# KiCad board EBAZ4205.kicad_pcb (continued)
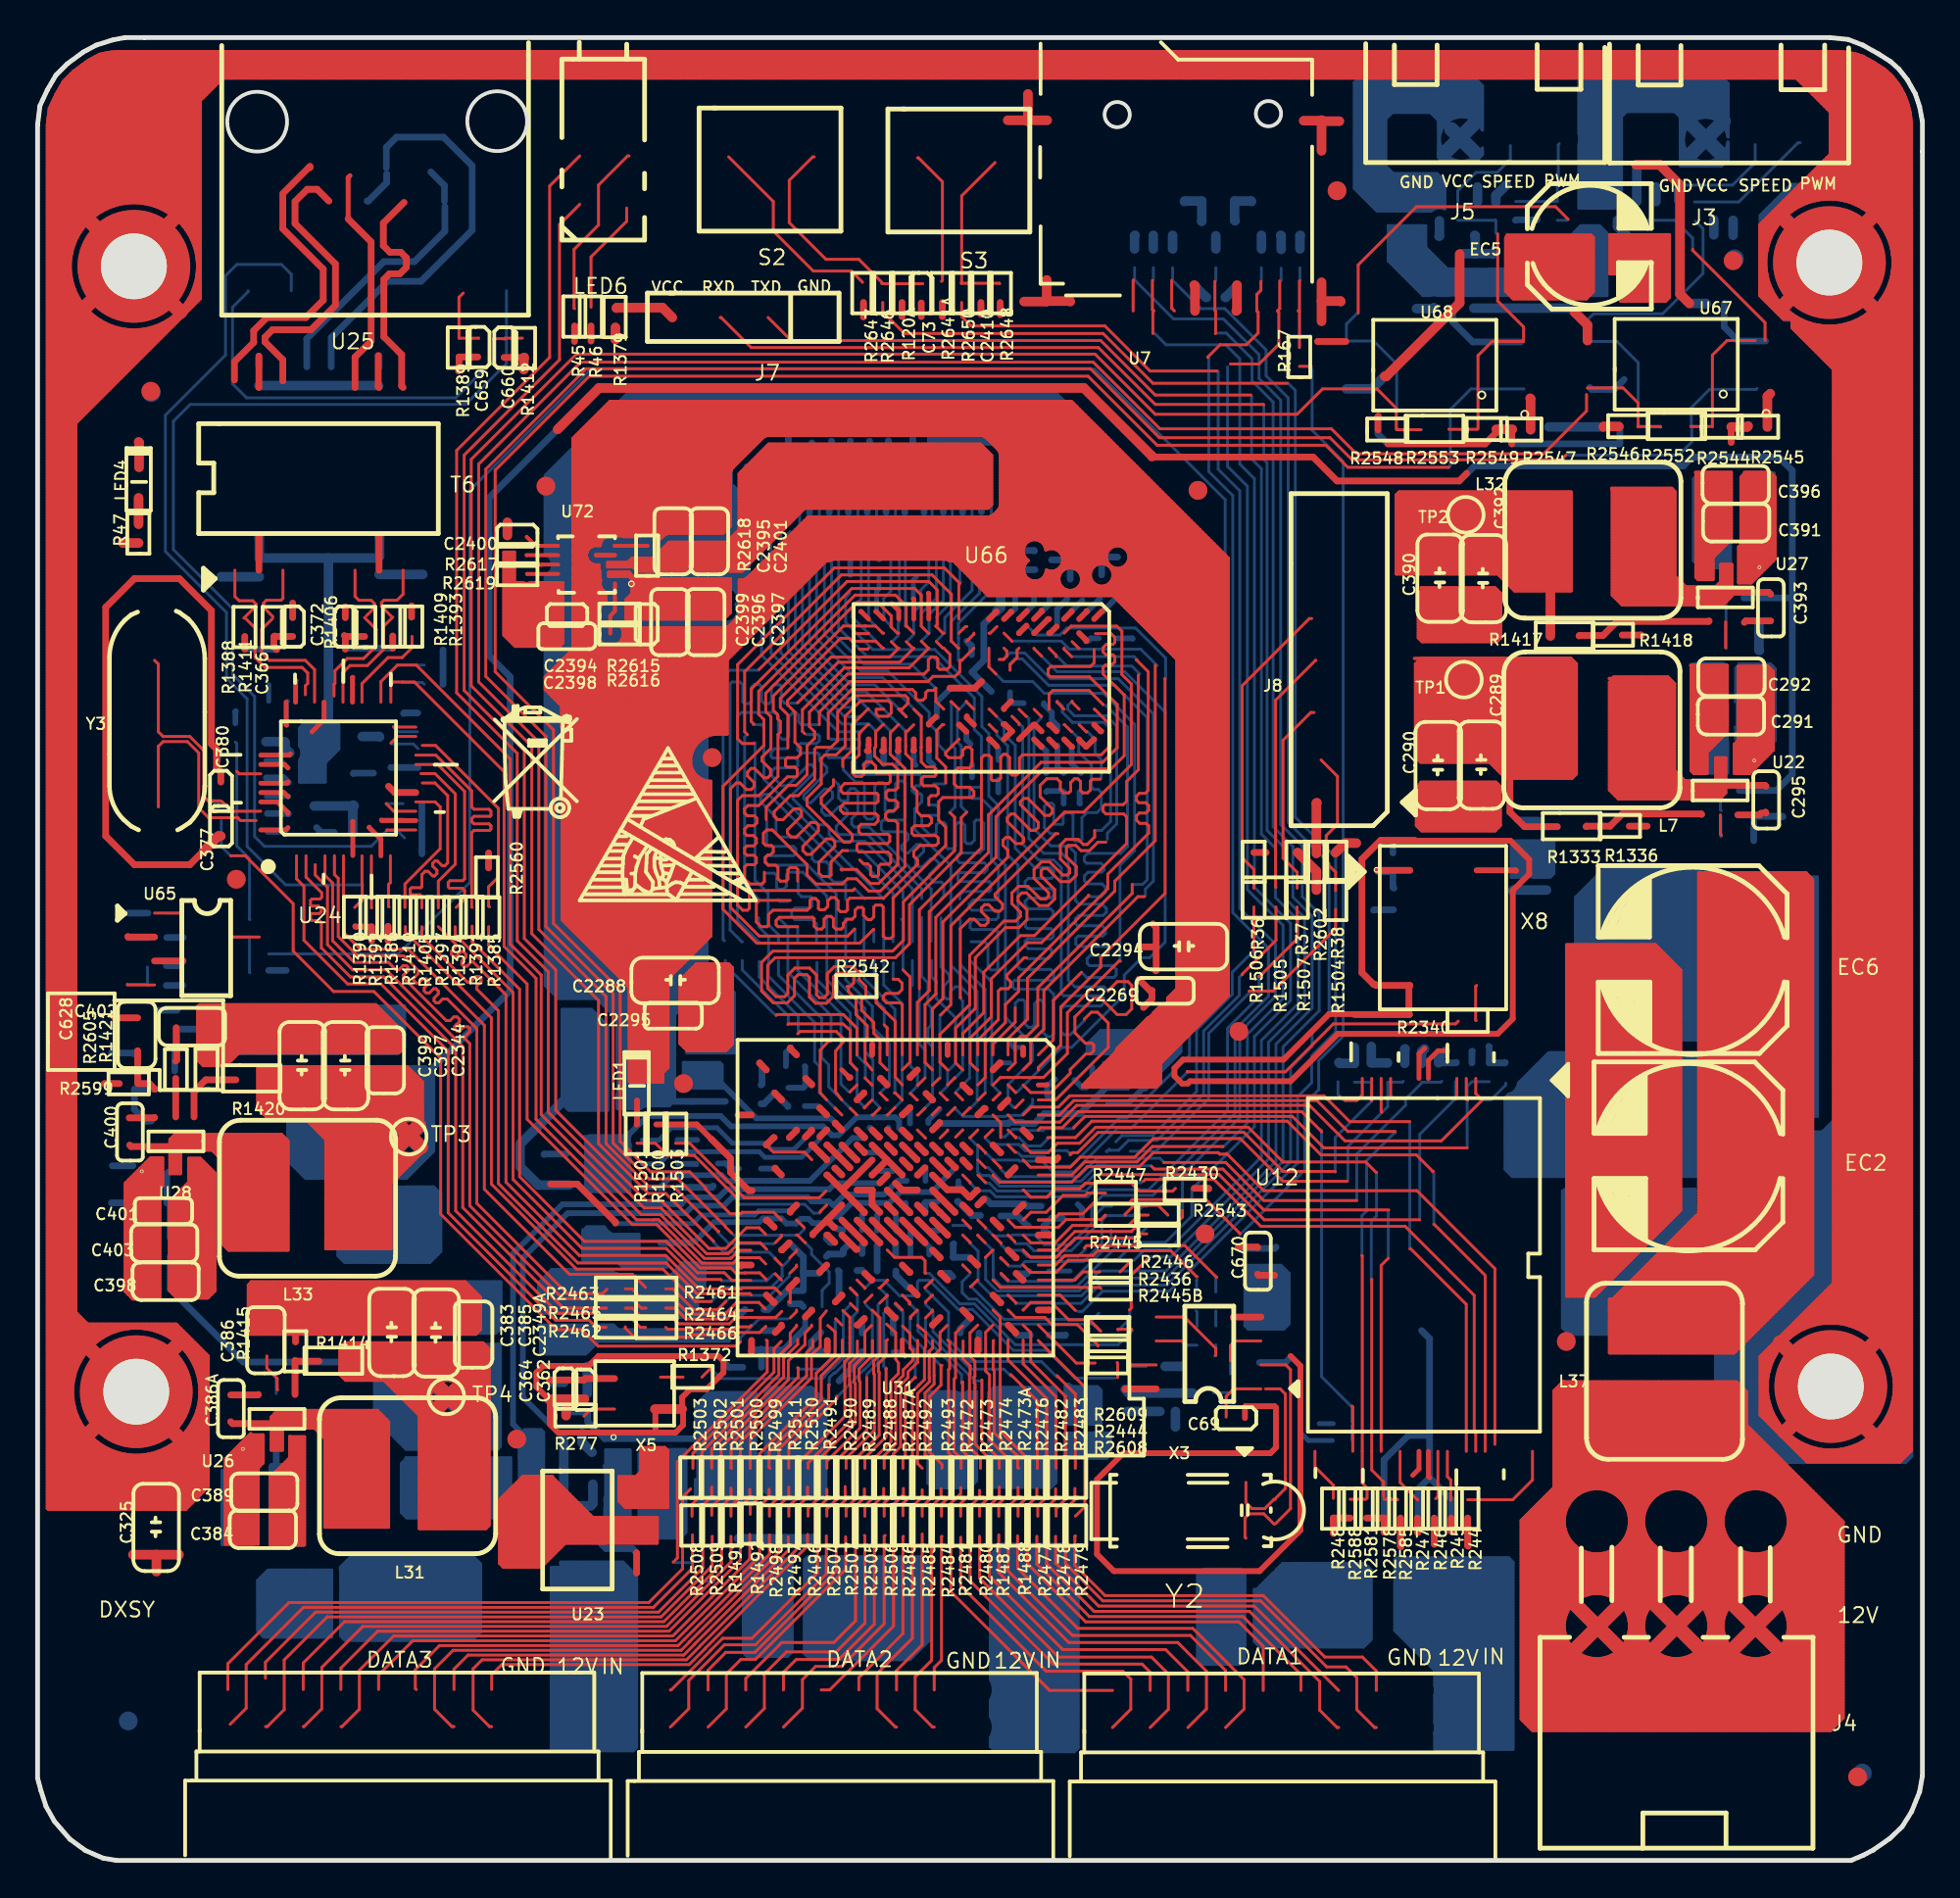
[diagram p0: board, top side]
## Routing (per net, layer and track width the routed paths; a pad name or vN(x,y) marks a point on that pad's centre or on a via; arc(x,y) is an arc through that point)
GNDA: length 27425.1
  Top w0.178: 46.91,94.87 46.91,96.27 ; 92.08,82.88 92.74,82.88 ; 84.4,94.87 84.4,96.27 ; 0.52,65.35 2.02,65.35 ; 0.52,63.37 2.02,63.37 ; 75.41,94.87 75.41,96.27 ; 0.52,37.46 2.02,37.46 ; 0.52,63.06 2.02,63.06 ; 94.15,21.24 94.15,22.08 ; 85.01,94.87 85.01,96.27 ; 0.52,45.38 2.02,45.38 ; 95.58,58.8 99.7,58.8 ; 35.94,94.87 35.94,96.27 ; 77.39,94.87 77.39,96.27 ; 0.52,37.76 2.02,37.76 ; 76.32,94.87 76.32,96.27 ; 3.34,96.13 96.8,96.13 ; 4.85,79.33 4.85,81.47 ; 0.52,50.87 2.02,50.87 ; 91.68,24.51 92.11,24.51 ; 0.61,93.09 8.65,93.09 ; 8.5,25.92 8.5,27.41 ; 94.3,80.65 94.3,81.82 ; 92.63,94.87 92.63,96.27 ; 0.52,26.79 2.4,26.79 ; 93.09,87.58 93.09,88.49 ; 91.68,24.2 92.19,24.2 ; 89.43,94.87 89.43,96.27 ; 95.58,64.28 99.7,64.28 ; 95.58,54.38 99.7,54.38 ; 98.1,23.13 99.7,23.13 ; 62.3,94.87 62.3,96.27 ; 8.12,23.13 9.07,23.13 ; 98.26,27.1 99.7,27.1 ; 63.52,94.87 63.52,96.27 ; 13.53,94.87 13.53,96.27 ; 0.52,91.41 8.65,91.41 ; 95.58,50.72 99.7,50.72 ; 0.52,78 3.52,78 ; 4.08,88.08 4.08,96.26 ; 0.52,27.4 2.9,27.4 ; 91.96,27.1 92.59,27.1 ; 0.52,78.61 4.13,78.61 ; 0.52,27.55 3.07,27.55 ; 7.88,86.84 8.65,86.84 ; 95.58,37.46 99.7,37.46 ; 0.52,66.11 2.02,66.11 ; 0.52,41.42 2.02,41.42 ; 0.52,61.54 2.02,61.54 ; 95.58,31.82 99.7,31.82 ; 62.45,94.87 62.45,96.27 ; 0.52,86.99 2.49,86.99 ; 95.58,78.46 99.7,78.46 ; 6.37,18.69 6.37,21.75 ; 0.52,80.44 5.96,80.44 ; 95.58,37 99.7,37 ; 53.16,94.87 53.16,96.27 ; 0.52,36.39 2.02,36.39 ; 91.68,24.35 92.15,24.35 ; 6.37,80.85 6.37,81.69 ; 41.42,94.87 41.42,96.27 ; 6.22,18.69 6.22,21.7 ; 95.58,55.6 99.7,55.6 ; 72.51,94.87 72.51,96.27 ; 0.52,64.89 2.02,64.89 ; 0.52,20.85 9.07,20.85 ; 64.59,94.87 64.59,96.27 ; 95.58,60.17 99.7,60.17 ; 95.58,55.75 99.7,55.75 ; 0.52,74.49 2.02,74.49 ; 91.77,83.18 92.52,83.18 ; 95.58,47.82 99.7,47.82 ; 0.52,48.28 2.02,48.28 ; 91.65,86.08 92.11,86.08 ; 73.43,94.87 73.43,96.27 ; 91.65,83.94 92.14,83.94 ; 94.93,93.54 99.51,93.54 ; 40.66,94.87 40.66,96.27 ; 0.52,52.09 2.02,52.09 ; 95.58,76.17 99.7,76.17 ; 95.58,52.55 99.7,52.55 ; 0.52,63.67 2.02,63.67 ; 60.17,94.87 60.17,96.27 ; 0.52,30.91 2.02,30.91 ; 98.72,26.02 98.72,84.69 ; 91.65,84.55 91.99,84.55 ; 4.08,18.69 4.08,21.76 ; 74.19,94.87 74.19,96.27 ; 14.14,94.87 14.14,96.27 ; 95.58,60.32 99.7,60.32 ; 95.37,28.62 95.37,30.51 ; 95.58,63.52 99.7,63.52 ; 2.26,26.55 2.26,28.94 ; 11.4,94.87 11.4,96.27 ; 98.76,25.88 99.7,25.88 ; 19.17,94.87 19.17,96.27 ; 86.99,94.87 86.99,96.27 ; 94.09,21.31 99.19,21.31 ; 95.58,73.12 99.7,73.12 ; 3.32,27.74 3.32,28.54 ; 0.52,77.54 3.06,77.54 ; 92.78,22.61 92.78,23.1 ; 7.74,87.01 7.74,96.27 ; 63.37,94.87 63.37,96.27 ; 95.58,42.79 99.7,42.79 ; 0.52,41.12 2.02,41.12 ; 0.52,74.95 2.02,74.95 ; 0.52,55.6 2.02,55.6 ; 0.52,84.4 1.76,84.4 ; 91.65,83.79 92.2,83.79 ; 95.58,44.47 99.7,44.47 ; 98.79,24.81 99.7,24.81 ; 98.35,26.94 99.7,26.94 ; 0.52,87.9 3.65,87.9 ; 35.02,94.87 35.02,96.27 ; 92.63,22.77 92.63,23.3 ; 0.52,70.38 2.02,70.38 ; 48.89,94.87 48.89,96.27 ; 0.52,60.93 2.02,60.93 ; 0.52,60.62 2.02,60.62 ; 86.84,94.87 86.84,96.27 ; 95.07,79.89 95.07,81.67 ; 92.41,27.55 92.96,27.55 ; 94.61,80.34 94.61,81.74 ; 0.52,76.78 2.3,76.78 ; 88.97,94.87 88.97,96.27 ; 5.76,88.18 5.76,96.27 ; 19.48,94.87 19.48,96.27 ; 98.82,25.27 99.7,25.27 ; 6.63,81.81 7.33,81.81 ; 0.52,56.05 2.02,56.05 ; 98.71,94.94 99,94.57 ; 0.52,25.42 1.89,25.42 ; 95.58,70.84 99.7,70.84 ; 98.81,25.42 99.7,25.42 ; 23.29,94.87 23.29,96.27 ; 8.52,84.86 8.65,84.86 ; 0.52,21 9.07,21 ; 94.48,89.89 99.7,89.89 ; 0.52,88.21 4.64,88.21 ; 94.15,28.37 94.15,29.29 ; 48.28,94.87 48.28,96.27 ; 51.79,94.87 51.79,96.27 ; 0.52,71.9 2.02,71.9 ; 12.92,94.87 12.92,96.27 ; 4.85,28.32 4.85,28.54 ; 69.46,94.87 69.46,96.27 ; 49.19,94.87 49.19,96.27 ; 95.58,64.89 99.7,64.89 ; 98.32,86.69 99.7,86.69 ; 0.52,19.93 9.07,19.93 ; 0.52,28.01 3.78,28.01 ; 0.52,49.35 2.02,49.35 ; 95.58,38.98 99.7,38.98 ; 58.19,94.87 58.19,96.27 ; 2.71,27.2 2.71,28.54 ; 92.81,88.21 94.11,88.21 ; 7.59,27.41 7.59,28.33 ; 95.58,49.5 99.7,49.5 ; 95.58,57.27 99.7,57.27 ; 3.47,87.82 3.47,96.17 ; 8.43,84.09 8.65,84.09 ; 19.02,94.87 19.02,96.27 ; 93.33,28.47 94.43,28.47 ; 0.52,41.73 2.02,41.73 ; 88.82,94.87 88.82,96.27 ; 95.58,59.86 99.7,59.86 ; 95.58,39.29 99.7,39.29 ; 0.52,32.13 2.02,32.13 ; 95.58,58.95 99.7,58.95 ; 0.52,86.53 2.18,86.53 ; 39.9,94.87 39.9,96.27 ; 0.52,40.66 2.02,40.66 ; 0.52,76.02 2.02,76.02 ; 95.58,39.9 99.7,39.9 ; 93.24,87.71 93.24,88.64 ; 94,88.16 94,89.4 ; 0.52,81.96 3.34,81.96 ; 95.58,41.27 99.7,41.27 ; 24.51,94.87 24.51,96.27 ; 91.65,86.84 92.47,86.84 ; 0.52,38.68 2.02,38.68 ; 82.11,94.87 82.11,96.27 ; 0.52,21.31 9.07,21.31 ; 95.58,70.53 99.7,70.53 ; 2.41,76.89 2.41,82.82 ; 74.49,94.87 74.49,96.27 ; 91.26,94.87 91.26,96.27 ; 95.58,72.97 99.7,72.97 ; 91.65,84.25 92.05,84.25 ; 15.51,94.87 15.51,96.27 ; 95.58,54.22 99.7,54.22 ; 91.65,83.64 92.26,83.64 ; 98.18,83.18 99.7,83.18 ; 94.02,94.46 99.07,94.46 ; 1.16,94.3 9.28,94.3 ; 95.58,62.15 99.7,62.15 ; 0.52,59.41 2.02,59.41 ; 8.29,86.08 8.65,86.08 ; 0.52,65.65 2.02,65.65 ; 95.58,68.85 99.7,68.85 ; 41.27,94.87 41.27,96.27 ; 0.52,52.7 2.02,52.7 ; 95.58,73.43 99.7,73.43 ; 8.2,82.68 8.2,83.41 ; 6.42,21.76 9.07,21.76 ; 0.52,73.27 2.02,73.27 ; 97.96,87.22 97.96,95.54 ; 0.52,83.18 2.17,83.18 ; 94.79,90.19 99.7,90.19 ; 36.55,94.87 36.55,96.27 ; 46.6,94.87 46.6,96.27 ; 0.54,92.48 8.65,92.48 ; 96.59,21.22 96.59,22.04 ; 95.58,71.14 99.7,71.14 ; 95.58,51.48 99.7,51.48 ; 1.34,94.61 9.58,94.61 ; 95.58,78.91 99.7,78.91 ; 2.86,87.38 2.86,95.89 ; 0.52,19.48 8.65,19.48 ; 0.52,90.65 8.65,90.65 ; 95.58,64.59 99.7,64.59 ; 95.58,69.46 99.7,69.46 ; 95.58,41.73 99.7,41.73 ; 93.39,81.56 93.39,82.28 ; 96.9,21.22 96.9,22.17 ; 65.2,94.87 65.2,96.27 ; 69.62,94.87 69.62,96.27 ; 92.48,26.9 92.48,27.62 ; 0.52,69.77 2.02,69.77 ; 93.24,27.82 93.24,28.38 ; 0.52,69.31 2.02,69.31 ; 95.58,76.78 99.7,76.78 ; 95.58,31.06 99.7,31.06 ; 0.52,84.86 1.73,84.86 ; 0.52,92.17 8.65,92.17 ; 92.02,23.38 92.02,27.16 ; 0.52,44.32 2.02,44.32 ; 95.58,46.6 99.7,46.6 ; 0.52,32.58 2.02,32.58 ; 94.55,29.69 99.7,29.69 ; 90.8,94.87 90.8,96.27 ; 0.52,87.6 3.14,87.6 ; 92.78,82.17 92.78,82.83 ; 95.52,28.62 95.52,30.67 ; 71.44,94.87 71.44,96.27 ; 95.58,39.75 99.7,39.75 ; 95.58,41.12 99.7,41.12 ; 90.49,94.87 90.49,96.27 ; 31.82,94.87 31.82,96.27 ; 0.52,40.81 2.02,40.81 ; 54.99,94.87 54.99,96.27 ; 98.71,84.55 99.7,84.55 ; 83.33,94.87 83.33,96.27 ; 92.48,86.85 92.48,87.88 ; 0.52,58.49 2.02,58.49 ; 81.35,94.87 81.35,96.27 ; 98.74,85.01 99.7,85.01 ; 7.77,22.68 9.07,22.68 ; 34.87,94.87 34.87,96.27 ; 95.58,53 99.7,53 ; 59.71,94.87 59.71,96.27 ; 98.47,86.38 99.7,86.38 ; 3.93,88.03 3.93,96.25 ; 3.03,95.98 97.21,95.98 ; 92.02,94.87 92.02,96.27 ; 39.44,94.87 39.44,96.27 ; 95.31,30.45 99.7,30.45 ; 71.9,94.87 71.9,96.27 ; 95.58,36.7 99.7,36.7 ; 0.52,19.02 8.2,19.02 ; 0.52,66.72 2.02,66.72 ; 95.58,31.52 99.7,31.52 ; 95.58,46.45 99.7,46.45 ; 92.5,87.9 93.51,87.9 ; 98.72,85.47 99.7,85.47 ; 92.93,94.87 92.93,96.27 ; 97.83,22.83 99.7,22.83 ; 96.83,28.32 99.7,28.32 ; 0.52,74.19 2.02,74.19 ; 95.58,74.8 99.7,74.8 ; 95.58,42.18 99.7,42.18 ; 95.4,92.32 99.7,92.32 ; 7.04,22.07 9.07,22.07 ; 0.52,35.63 2.02,35.63 ; 69.01,94.87 69.01,96.27 ; 6.98,18.69 6.98,22.03 ; 5.61,88.21 8.65,88.21 ; 0.52,79.52 5.04,79.52 ; 27.71,94.87 27.71,96.27 ; 0.52,47.52 2.02,47.52 ; 28.01,94.87 28.01,96.27 ; 95.58,75.41 99.7,75.41 ; 95.58,43.86 99.7,43.86 ; 95.22,79.73 95.22,81.66 ; 95.58,53.92 99.7,53.92 ; 85.31,94.87 85.31,96.27 ; 55.14,94.87 55.14,96.27 ; 95.58,44.32 99.7,44.32 ; 8.61,24.51 9.07,24.51 ; 37,94.87 37,96.27 ; 94.91,88.42 94.91,90.32 ; 95.58,48.13 99.7,48.13 ; 20.54,94.87 20.54,96.27 ; 97.51,27.91 97.51,82.43 ; 68.4,94.87 68.4,96.27 ; 0.52,91.26 8.65,91.26 ; 16.89,94.87 16.89,96.27 ; 8.35,83.79 8.65,83.79 ; 98.63,85.92 99.7,85.92 ; 95.58,75.56 99.7,75.56 ; 7.62,22.52 9.07,22.52 ; 0.52,68.24 2.02,68.24 ; 52.85,94.87 52.85,96.27 ; 18.26,94.87 18.26,96.27 ; 93.39,27.94 93.39,28.53 ; 19.78,94.87 19.78,96.27 ; 93.78,28.93 99.7,28.93 ; 0.52,50.57 2.02,50.57 ; 95.58,32.58 99.7,32.58 ; 96.44,21.22 96.44,21.99 ; 22.22,94.87 22.22,96.27 ; 0.52,36.85 2.02,36.85 ; 0.52,48.43 2.02,48.43 ; 24.2,94.87 24.2,96.27 ; 0.52,66.42 2.02,66.42 ; 5.15,88.24 5.15,96.27 ; 78.91,94.87 78.91,96.27 ; 0.52,70.23 2.02,70.23 ; 0.52,58.95 2.02,58.95 ; 75.86,94.87 75.86,96.27 ; 95.58,57.58 99.7,57.58 ; 96.17,21.92 99.7,21.92 ; 93.42,88.82 99.7,88.82 ; 55.29,94.87 55.29,96.27 ; 95.58,38.83 99.7,38.83 ; 37.76,94.87 37.76,96.27 ; 85.47,94.87 85.47,96.27 ; 91.65,86.99 92.57,86.99 ; 5.3,88.24 5.3,96.27 ; 95.58,47.37 99.7,47.37 ; 93.85,81.11 93.85,82.01 ; 95.58,70.07 99.7,70.07 ; 0.52,59.1 2.02,59.1 ; 13.38,94.87 13.38,96.27 ; 95.58,74.34 99.7,74.34 ; 67.03,94.87 67.03,96.27 ; 33.5,94.87 33.5,96.27 ; 95.58,72.21 99.7,72.21 ; 96.9,28.28 96.9,82.03 ; 38.37,94.87 38.37,96.27 ; 4.54,79.02 4.54,81.51 ; 91.65,86.23 92.17,86.23 ; 3.32,87.73 3.32,96.13 ; 0.52,65.81 2.02,65.81 ; 96.59,88.21 99.7,88.21 ; 21.15,94.87 21.15,96.27 ; 95.58,51.94 99.7,51.94 ; 3.47,27.84 3.47,28.54 ; 58.34,94.87 58.34,96.27 ; 0.52,29.99 2.02,29.99 ; 0.52,70.07 2.02,70.07 ; 95.58,63.83 99.7,63.83 ; 95.58,42.49 99.7,42.49 ; 95.58,49.19 99.7,49.19 ; 95.4,92.02 99.7,92.02 ; 95.58,56.2 99.7,56.2 ; 0.52,54.99 2.02,54.99 ; 95.58,61.23 99.7,61.23 ; 0.52,37.61 2.02,37.61 ; 95.58,58.49 99.7,58.49 ; 11.09,94.87 11.09,96.27 ; 0.52,62 2.02,62 ; 58.64,94.87 58.64,96.27 ; 2.56,77.04 2.56,82.63 ; 93.17,28.32 94.02,28.32 ; 1.95,18.69 1.95,24.16 ; 95.58,69.16 99.7,69.16 ; 0.52,86.08 1.96,86.08 ; 86.53,94.87 86.53,96.27 ; 96.59,88.21 96.59,96.18 ; 95.58,42.34 99.7,42.34 ; 57.73,94.87 57.73,96.27 ; 91.68,26.18 92.17,26.18 ; 0.52,68.09 2.02,68.09 ; 93.48,28.62 99.7,28.62 ; 95.58,60.62 99.7,60.62 ; 0.52,69.62 2.02,69.62 ; 0.52,42.18 2.02,42.18 ; 95.07,21.22 95.07,21.85 ; 93.63,28.77 99.7,28.77 ; 0.52,74.04 2.02,74.04 ; 0.52,52.85 2.02,52.85 ; 0.52,40.2 2.02,40.2 ; 0.52,64.59 2.02,64.59 ; 7.49,82.42 7.94,82.42 ; 79.06,94.87 79.06,96.27 ; 95.28,79.67 99.7,79.67 ; 0.52,89.73 8.65,89.73 ; 5.76,18.69 5.76,21.59 ; 0.84,93.7 8.67,93.7 ; 93.63,21.76 99.64,21.76 ; 5.85,21.61 9.07,21.61 ; 97.05,21.22 97.05,22.24 ; 8.46,85.47 8.65,85.47 ; 62.76,94.87 62.76,96.27 ; 67.94,94.87 67.94,96.27 ; 0.52,49.65 2.02,49.65 ; 98.44,83.64 99.7,83.64 ; 0.52,47.67 2.02,47.67 ; 76.78,94.87 76.78,96.27 ; 17.8,94.87 17.8,96.27 ; 10.18,94.87 10.18,96.27 ; 95.58,36.85 99.7,36.85 ; 50.11,94.87 50.11,96.27 ; 4.08,78.56 4.08,81.62 ; 0.52,38.37 2.02,38.37 ; 0.52,34.72 2.02,34.72 ; 73.58,94.87 73.58,96.27 ; 95.58,32.43 99.7,32.43 ; 34.26,94.87 34.26,96.27 ; 7.28,87.47 7.28,96.27 ; 93.09,94.87 93.09,96.27 ; 58.03,94.87 58.03,96.27 ; 97.4,87.75 99.7,87.75 ; 94.64,90.04 99.7,90.04 ; 95.58,69.77 99.7,69.77 ; 31.52,94.87 31.52,96.27 ; 95.58,62 99.7,62 ; 0.52,55.75 2.02,55.75 ; 95.37,93.1 95.37,96.27 ; 96.74,88.14 96.74,96.15 ; 69.92,94.87 69.92,96.27 ; 8.07,86.53 8.65,86.53 ; 95,30.14 99.7,30.14 ; 98.51,26.64 99.7,26.64 ; 38.83,94.87 38.83,96.27 ; 92.63,82.33 92.63,83.02 ; 6.07,18.69 6.07,21.66 ; 93.85,21.55 93.85,22.22 ; 66.42,94.87 66.42,96.27 ; 67.63,94.87 67.63,96.27 ; 2.41,18.69 2.41,23.1 ; 25.72,94.87 25.72,96.27 ; 0.52,62.45 2.02,62.45 ; 1.8,85.52 1.8,95.11 ; 96.74,28.35 96.74,81.96 ; 65.5,94.87 65.5,96.27 ; 44.01,94.87 44.01,96.27 ; 95.58,38.22 99.7,38.22 ; 95.58,50.41 99.7,50.41 ; 56.36,94.87 56.36,96.27 ; 95.58,37.61 99.7,37.61 ; 1.49,18.69 1.49,94.81 ; 0.52,92.02 8.65,92.02 ; 8.39,85.77 8.65,85.77 ; 30.6,94.87 30.6,96.27 ; 0.52,50.11 2.02,50.11 ; 93.88,89.28 99.7,89.28 ; 92.05,87.45 92.95,87.45 ; 98.81,24.96 99.7,24.96 ; 41.88,94.87 41.88,96.27 ; 95.58,67.03 99.7,67.03 ; 95.37,88.44 95.37,90.77 ; 90.65,94.87 90.65,96.27 ; 7.13,82.11 7.63,82.11 ; 95.58,77.54 99.7,77.54 ; 95.4,92.48 99.7,92.48 ; 5,18.69 5,21.57 ; 5.46,79.94 5.46,81.47 ; 98.58,26.49 99.7,26.49 ; 75.56,94.87 75.56,96.27 ; 84.09,94.87 84.09,96.27 ; 7.89,82.37 7.89,82.89 ; 56.66,94.87 56.66,96.27 ; 6.07,80.55 6.07,81.59 ; 98.65,84.25 99.7,84.25 ; 88.67,94.87 88.67,96.27 ; 95.58,53.77 99.7,53.77 ; 88.21,94.87 88.21,96.27 ; 0.52,51.63 2.02,51.63 ; 0.52,53.61 2.02,53.61 ; 92.48,82.48 92.48,83.25 ; 95.58,71.75 99.7,71.75 ; 0.52,41.88 2.02,41.88 ; 92.17,94.87 92.17,96.27 ; 33.34,94.87 33.34,96.27 ; 49.04,94.87 49.04,96.27 ; 7.89,27.08 7.89,28.02 ; 0.52,51.79 2.02,51.79 ; 0.52,26.03 2.03,26.03 ; 0.52,76.17 2.02,76.17 ; 4.69,79.17 4.69,81.48 ; 0.52,90.04 8.65,90.04 ; 7.74,18.69 7.74,22.65 ; 94.46,28.48 94.46,29.6 ; 64.28,94.87 64.28,96.27 ; 49.65,94.87 49.65,96.27 ; 92.93,82.04 92.93,82.67 ; 70.84,94.87 70.84,96.27 ; 0.52,71.29 2.02,71.29 ; 6.52,18.69 6.52,21.8 ; 60.78,94.87 60.78,96.27 ; 14.9,94.87 14.9,96.27 ; 0.52,30.75 2.02,30.75 ; 0.52,39.59 2.02,39.59 ; 95.58,78.61 99.7,78.61 ; 0.88,18.69 0.88,93.79 ; 95.58,43.56 99.7,43.56 ; 8.23,86.23 8.65,86.23 ; 93.37,81.66 99.7,81.66 ; 95.58,43.71 99.7,43.71 ; 95.58,49.65 99.7,49.65 ; 0.52,62.3 2.02,62.3 ; 26.03,94.87 26.03,96.27 ; 0.52,37.31 2.02,37.31 ; 94,21.39 94,22.14 ; 0.52,70.68 2.02,70.68 ; 0.52,57.58 2.02,57.58 ; 95.58,57.12 99.7,57.12 ; 0.52,24.66 1.87,24.66 ; 99.03,21.22 99.03,94.53 ; 96.44,28.46 96.44,81.84 ; 0.52,71.6 2.02,71.6 ; 87.45,94.87 87.45,96.27 ; 96.35,81.81 99.7,81.81 ; 5.76,80.24 5.76,81.52 ; 72.21,94.87 72.21,96.27 ; 60.47,94.87 60.47,96.27 ; 98.63,26.33 99.7,26.33 ; 42.79,94.87 42.79,96.27 ; 8.08,83.18 8.65,83.18 ; 91.65,84.86 91.96,84.86 ; 92.78,27.35 92.78,27.92 ; 95.4,91.1 99.7,91.1 ; 95.4,91.56 99.7,91.56 ; 28.93,94.87 28.93,96.27 ; 4.39,18.69 4.39,21.67 ; 8.19,26.64 9.07,26.64 ; 6.37,88.01 6.37,96.27 ; 6.27,81.66 7.18,81.66 ; 95.58,43.25 99.7,43.25 ; 95.58,65.5 99.7,65.5 ; 9.11,94.14 9.11,96.27 ; 95.58,50.26 99.7,50.26 ; 0.52,71.45 2.02,71.45 ; 68.24,94.87 68.24,96.27 ; 98.27,27.08 98.27,83.32 ; 60.93,94.87 60.93,96.27 ; 65.35,94.87 65.35,96.27 ; 0.52,43.71 2.02,43.71 ; 95.58,56.36 99.7,56.36 ; 35.17,94.87 35.17,96.27 ; 95.58,61.69 99.7,61.69 ; 15.97,94.87 15.97,96.27 ; 92.84,82.11 93.65,82.11 ; 93.27,88.67 99.7,88.67 ; 0.52,31.52 2.02,31.52 ; 95.58,33.95 99.7,33.95 ; 6.22,88.06 6.22,96.27 ; 31.67,94.87 31.67,96.27 ; 0.52,89.89 8.65,89.89 ; 6.72,28.01 7.9,28.01 ; 95.58,37.31 99.7,37.31 ; 65.81,94.87 65.81,96.27 ; 91.68,26.79 92.41,26.79 ; 95.52,88.44 95.52,96.27 ; 94.33,89.73 99.7,89.73 ; 32.43,94.87 32.43,96.27 ; 47.06,94.87 47.06,96.27 ; 9.88,94.87 9.88,96.27 ; 83.48,94.87 83.48,96.27 ; 95.58,32.13 99.7,32.13 ; 76.47,94.87 76.47,96.27 ; 83.03,94.87 83.03,96.27 ; 91.8,23.59 92.45,23.59 ; 0.52,74.65 2.02,74.65 ; 95.58,43.4 99.7,43.4 ; 95.4,92.17 99.7,92.17 ; 95.58,40.51 99.7,40.51 ; 48.43,94.87 48.43,96.27 ; 94.61,21.22 94.61,21.93 ; 18.56,94.87 18.56,96.27 ; 0.52,30.45 2.02,30.45 ; 95.22,21.22 95.22,21.84 ; 0.52,70.99 2.02,70.99 ; 95.58,36.39 99.7,36.39 ; 87.29,94.87 87.29,96.27 ; 0.52,22.98 2.49,22.98 ; 95.58,45.84 99.7,45.84 ; 95.58,71.45 99.7,71.45 ; 0.52,87.14 2.62,87.14 ; 93.54,21.85 93.54,22.4 ; 0.52,67.64 2.02,67.64 ; 0.52,78.76 4.28,78.76 ; 2.1,76.58 2.1,83.31 ; 0.52,33.19 2.02,33.19 ; 38.98,94.87 38.98,96.27 ; 0.52,20.09 9.07,20.09 ; 0.52,42.64 2.02,42.64 ; 0.52,40.36 2.02,40.36 ; 35.48,94.87 35.48,96.27 ; 25.27,94.87 25.27,96.27 ; 95.58,56.97 99.7,56.97 ; 67.48,94.87 67.48,96.27 ; 82.57,94.87 82.57,96.27 ; 34.72,94.87 34.72,96.27 ; 34.11,94.87 34.11,96.27 ; 17.04,94.87 17.04,96.27 ; 0.52,22.07 3.46,22.07 ; 95.58,63.06 99.7,63.06 ; 5.68,28.32 7.6,28.32 ; 97.66,21.22 97.66,22.67 ; 0.52,57.27 2.02,57.27 ; 0.52,55.9 2.02,55.9 ; 1.75,95.07 98.58,95.07 ; 18.41,94.87 18.41,96.27 ; 7.31,87.45 8.65,87.45 ; 95.58,47.21 99.7,47.21 ; 98.74,84.86 99.7,84.86 ; 95.58,30.91 99.7,30.91 ; 66.72,94.87 66.72,96.27 ; 0.52,73.12 2.02,73.12 ; 79.98,94.87 79.98,96.27 ; 5.46,28.34 5.46,28.54 ; 8.81,19.63 8.81,27.11 ; 0.52,26.64 2.31,26.64 ; 53.92,94.87 53.92,96.27 ; 0.52,46.45 2.02,46.45 ; 87.14,94.87 87.14,96.27 ; 94.78,93.7 99.45,93.7 ; 0.52,44.93 2.02,44.93 ; 0.57,92.78 8.65,92.78 ; 70.23,94.87 70.23,96.27 ; 0.52,60.47 2.02,60.47 ; 88.51,94.87 88.51,96.27 ; 1.95,25.74 1.95,83.65 ; 0.52,45.23 2.02,45.23 ; 22.07,94.87 22.07,96.27 ; 8.55,25.73 9.07,25.73 ; 91.68,24.66 92.08,24.66 ; 0.52,31.21 2.02,31.21 ; 0.52,82.42 2.76,82.42 ; 98.8,25.57 99.7,25.57 ; 98.42,86.5 98.42,95.21 ; 0.52,71.14 2.02,71.14 ; 0.52,47.21 2.02,47.21 ; 69.77,94.87 69.77,96.27 ; 95.58,52.09 99.7,52.09 ; 95.58,59.56 99.7,59.56 ; 31.36,94.87 31.36,96.27 ; 0.52,32.74 2.02,32.74 ; 8.49,84.4 8.65,84.4 ; 20.85,94.87 20.85,96.27 ; 93.09,82.04 93.09,82.52 ; 0.52,86.23 2.02,86.23 ; 92.54,82.42 93.21,82.42 ; 19.93,94.87 19.93,96.27 ; 0.52,43.86 2.02,43.86 ; 95.58,44.17 99.7,44.17 ; 0.52,82.11 3.12,82.11 ; 50.87,94.87 50.87,96.27 ; 95.4,90.8 99.7,90.8 ; 0.52,40.51 2.02,40.51 ; 0.52,79.67 5.19,79.67 ; 6.52,28.1 6.52,28.54 ; 95.58,33.35 99.7,33.35 ; 23.74,94.87 23.74,96.27 ; 91.68,26.33 92.22,26.33 ; 95.58,77.08 99.7,77.08 ; 97.81,21.22 97.81,22.81 ; 94.48,94 99.33,94 ; 97.35,21.22 97.35,22.43 ; 95.58,40.2 99.7,40.2 ; 95.83,88.41 95.83,96.27 ; 95.58,68.24 99.7,68.24 ; 0.52,58.34 2.02,58.34 ; 6.52,87.94 6.52,96.27 ; 0.52,85.47 1.79,85.47 ; 0.52,38.53 2.02,38.53 ; 12.01,94.87 12.01,96.27 ; 44.62,94.87 44.62,96.27 ; 98.82,25.12 99.7,25.12 ; 0.52,39.75 2.02,39.75 ; 0.52,20.54 9.07,20.54 ; 0.52,91.87 8.65,91.87 ; 30.3,94.87 30.3,96.27 ; 0.52,61.08 2.02,61.08 ; 78.76,94.87 78.76,96.27 ; 32.13,94.87 32.13,96.27 ; 95.58,77.39 99.7,77.39 ; 0.52,20.24 9.07,20.24 ; 4.69,18.69 4.69,21.6 ; 91.65,85.47 91.98,85.47 ; 0.52,51.02 2.02,51.02 ; 0.52,39.9 2.02,39.9 ; 72.36,94.87 72.36,96.27 ; 74.34,94.87 74.34,96.27 ; 0.52,32.43 2.02,32.43 ; 0.52,67.33 2.02,67.33 ; 29.38,94.87 29.38,96.27 ; 66.87,94.87 66.87,96.27 ; 50.57,94.87 50.57,96.27 ; 8.21,23.29 9.07,23.29 ; 6.88,87.75 8.65,87.75 ; 0.52,58.64 2.02,58.64 ; 6.07,28.24 6.07,28.54 ; 0.52,43.25 2.02,43.25 ; 63.98,94.87 63.98,96.27 ; 95.58,76.93 99.7,76.93 ; 0.52,85.77 1.86,85.77 ; 17.5,94.87 17.5,96.27 ; 79.83,94.87 79.83,96.27 ; 52.09,94.87 52.09,96.27 ; 67.79,94.87 67.79,96.27 ; 46.76,94.87 46.76,96.27 ; 0.52,36.24 2.02,36.24 ; 0.52,46.76 2.02,46.76 ; 0.52,47.98 2.02,47.98 ; 0.52,88.67 8.65,88.67 ; 0.52,38.98 2.02,38.98 ; 30.45,94.87 30.45,96.27 ; 92.93,22.46 92.93,22.92 ; 5.61,28.32 5.61,28.54 ; 0.52,56.97 2.02,56.97 ; 0.52,32.89 2.02,32.89 ; 95.58,64.74 99.7,64.74 ; 91.1,94.87 91.1,96.27 ; 97.29,82.27 99.7,82.27 ; 95.58,47.67 99.7,47.67 ; 93.85,94.63 93.85,96.27 ; 92.32,86.59 92.32,87.72 ; 0.52,22.52 2.88,22.52 ; 92.41,22.98 92.88,22.98 ; 69.31,94.87 69.31,96.27 ; 0.52,67.03 2.02,67.03 ; 97.2,87.89 97.2,95.99 ; 95.58,74.49 99.7,74.49 ; 72.82,94.87 72.82,96.27 ; 0.52,85.62 1.82,85.62 ; 21.31,94.87 21.31,96.27 ; 0.52,84.7 1.73,84.7 ; 80.44,94.87 80.44,96.27 ; 45.84,94.87 45.84,96.27 ; 94.61,93.87 94.61,96.27 ; 94.09,29.23 99.7,29.23 ; 95.58,33.65 99.7,33.65 ; 2.86,27.36 2.86,28.54 ; 68.09,94.87 68.09,96.27 ; 0.52,26.94 2.5,26.94 ; 0.52,26.49 2.22,26.49 ; 95.16,30.3 99.7,30.3 ; 6.6,87.9 8.65,87.9 ; 88.06,94.87 88.06,96.27 ; 78.3,94.87 78.3,96.27 ; 13.08,94.87 13.08,96.27 ; 87.75,94.87 87.75,96.27 ; 44.17,94.87 44.17,96.27 ; 95.58,77.85 99.7,77.85 ; 72.05,94.87 72.05,96.27 ; 0.7,93.39 8.65,93.39 ; 16.73,94.87 16.73,96.27 ; 0.52,57.12 2.02,57.12 ; 0.52,48.89 2.02,48.89 ; 74.65,94.87 74.65,96.27 ; 4.24,88.13 4.24,96.27 ; 0.98,94 8.97,94 ; 95.58,52.85 99.7,52.85 ; 26.18,94.87 26.18,96.27 ; 96.44,88.26 96.44,96.21 ; 76.17,94.87 76.17,96.27 ; 0.52,42.34 2.02,42.34 ; 93.02,28.16 93.73,28.16 ; 95.58,45.23 99.7,45.23 ; 95.58,69.31 99.7,69.31 ; 4.08,28.14 4.08,28.54 ; 95.07,28.6 95.07,30.21 ; 94.76,80.19 94.76,81.71 ; 46.3,94.87 46.3,96.27 ; 63.06,94.87 63.06,96.27 ; 98.11,21.22 98.11,23.16 ; 29.08,94.87 29.08,96.27 ; 1.91,95.22 98.41,95.22 ; 77.24,94.87 77.24,96.27 ; 95.58,69.62 99.7,69.62 ; 93.54,87.92 93.54,88.94 ; 3.93,18.69 3.93,21.82 ; 47.37,94.87 47.37,96.27 ; 0.52,26.33 2.15,26.33 ; 94.94,90.34 99.7,90.34 ; 6.67,81.16 6.67,81.83 ; 43.86,94.87 43.86,96.27 ; 0.52,61.23 2.02,61.23 ; 2.26,76.74 2.26,83.04 ; 35.63,94.87 35.63,96.27 ; 95.58,36.09 99.7,36.09 ; 97.13,96.03 97.71,95.7 98.28,95.33 98.64,95.02 ; 92.96,88.36 94.61,88.36 ; 19.32,94.87 19.32,96.27 ; 14.45,94.87 14.45,96.27 ; 95.58,34.26 99.7,34.26 ; 94.39,29.54 99.7,29.54 ; 0.52,34.87 2.02,34.87 ; 0.52,35.48 2.02,35.48 ; 95.58,34.11 99.7,34.11 ; 2.71,87.24 2.71,95.81 ; 92.32,82.63 92.32,83.51 ; 95.58,34.72 